# Altium PCB Kasli-DIOT.PCBDOC (part 6 of 21) (continued)
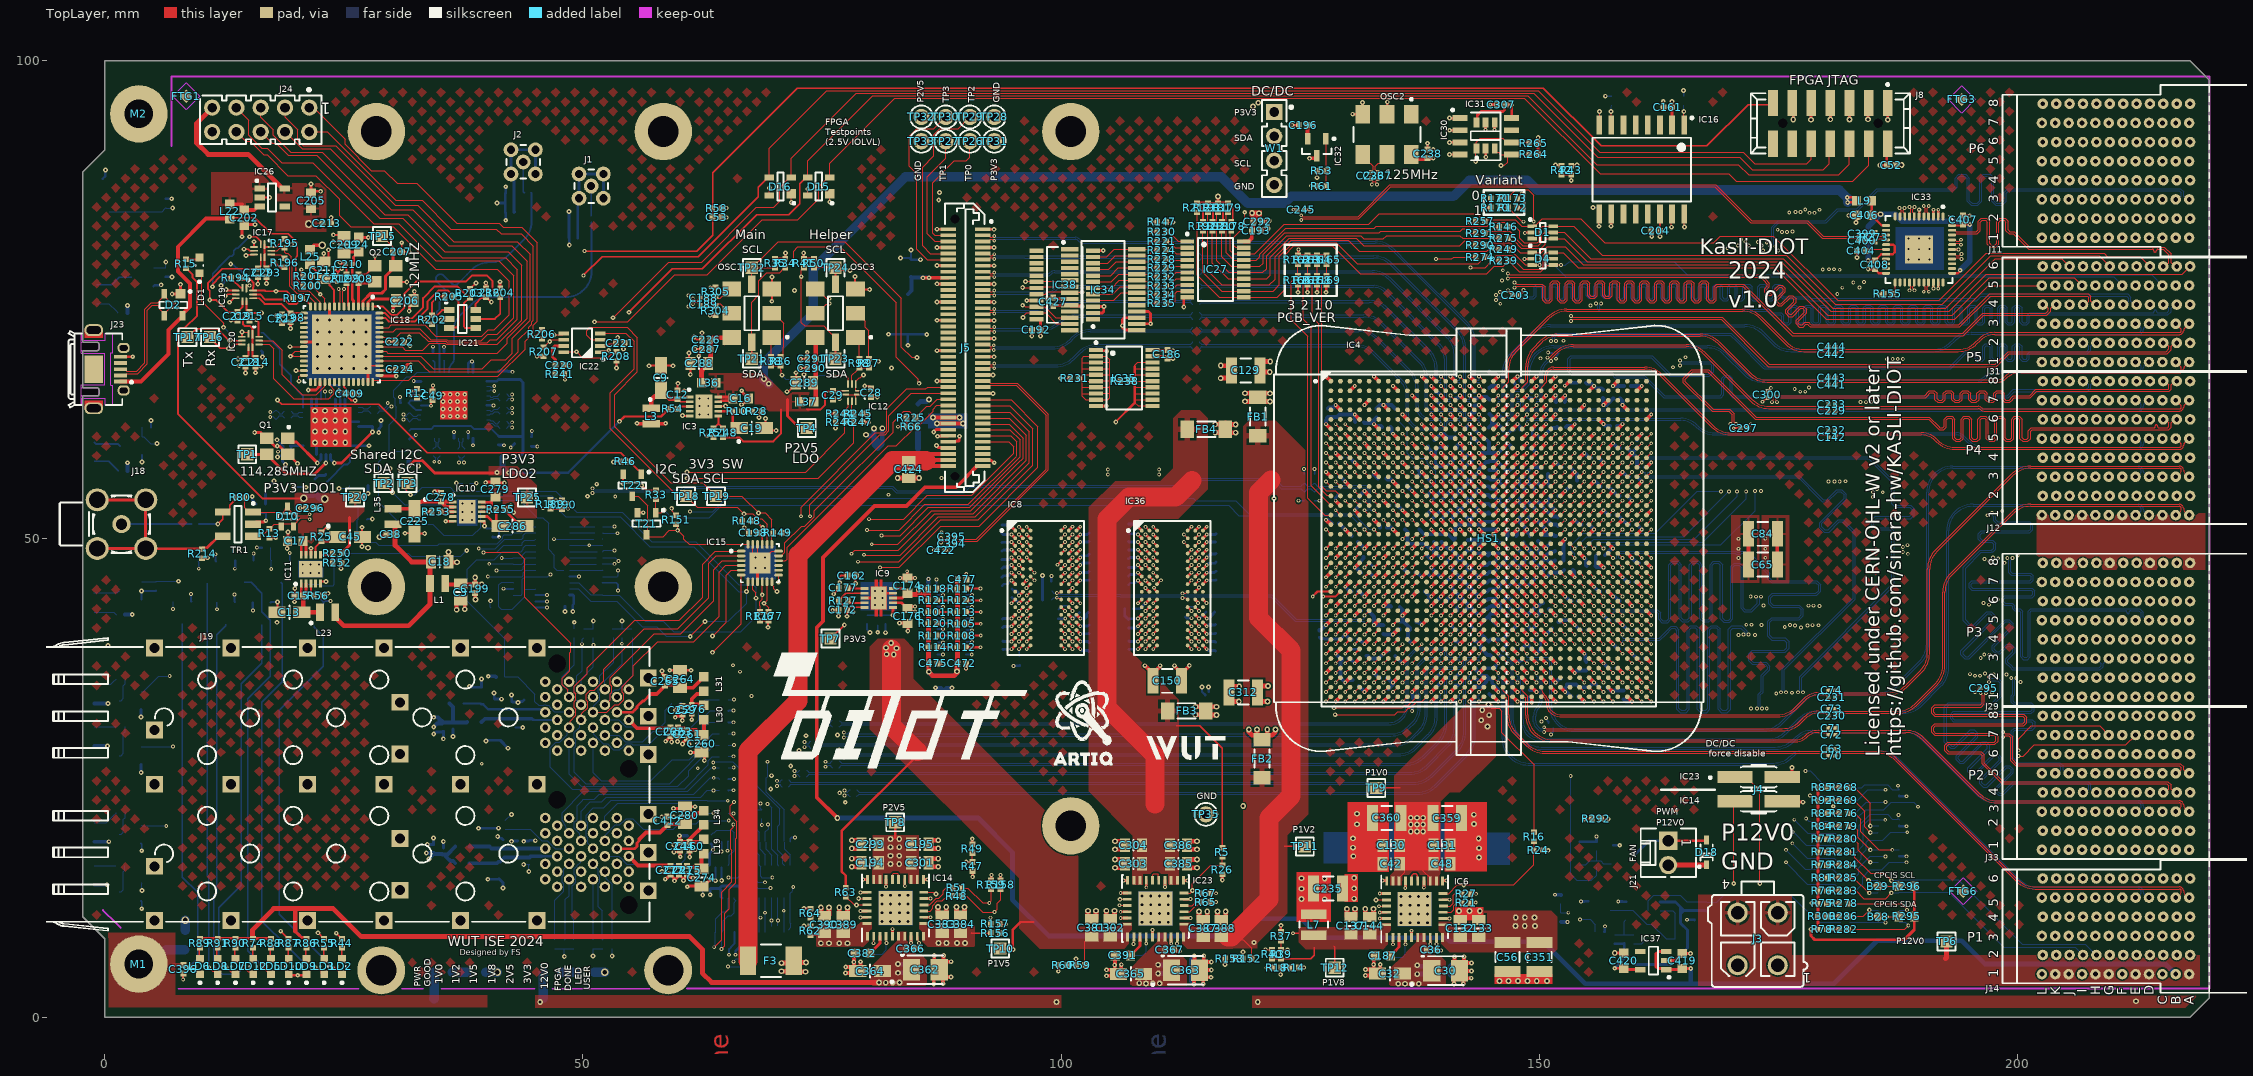
[diagram p0: TopLayer view]
## Nets (pads, with @x,y where several pads share a name; then routed paths per layer and width w, separated by ;. In a path a pad name is that pad's centre, name@x,y a point inside that pad or via, vN(x,y) a via of type N, cw(c..) or ccw(c..) an arc to the next point about the centre after c; other vN are vias at no path point) (continued)
  TopLayer w0.22: IC8.F8@100.8,46.875 100.797,46.875 v1(101.197,47.275) ; v1(127.7,49) IC4.V1@128.2,49.5
  Layer 5 w0.16: v1(101.197,47.275) 101.218,47.296 101.218,47.556 101.361,47.7 110.225,47.7 110.305,47.7 110.439,47.834 110.439,48.069 110.572,48.203 110.973,48.203 111.107,48.069 111.107,47.488 111.24,47.354 111.641,47.354 111.775,47.488 111.775,48.069 111.908,48.203 112.309,48.203 112.443,48.069 112.443,47.488 112.576,47.354 112.977,47.354 113.111,47.488 113.111,47.566 113.244,47.7 113.55,47.7 116.133,47.7 116.213,47.7 116.346,47.834 116.346,48.578 116.48,48.712 116.881,48.712 117.014,48.578 117.014,47.468 117.148,47.334 117.549,47.334 117.682,47.468 117.682,48.578 117.816,48.712 118.217,48.712 118.35,48.578 118.35,47.468 118.484,47.334 118.885,47.334 119.018,47.468 119.018,48.578 119.152,48.712 119.553,48.712 119.686,48.578 119.686,47.468 119.82,47.334 120.221,47.334 120.354,47.468 120.354,47.566 120.488,47.7 120.5,47.7 120.711,47.911 121.5,48.7 124.534,48.7 124.834,49 v1(127.7,49)
DDR_DQ20: IC4.Y5 IC8.H3 | length 39.2
  TopLayer w0.22: v1(96.362,44.858) 96.372,44.858 96.789,45.275 IC8.H3@96.8,45.275 ; v1(131.7,47) IC4.Y5@132.2,47.5
  Layer 5 w0.16: v1(96.362,44.858) 97.13,44.089 97.819,43.4 100.2,43.4 100.4,43.2 100.703,42.897 109.797,42.897 110.1,43.2 110.2,43.3 113,43.3 113.4,43.7 124.934,43.7 126.634,45.4 130.1,45.4 v1(131.7,47)
DDR_DQ21: IC4.W1 IC8.H8 | length 38.5
  TopLayer w0.22: IC8.H8@100.8,45.275 100.797,45.275 v1(101.197,45.675) ; v1(127.7,48) IC4.W1@128.2,48.5
  Layer 5 w0.16: v1(101.197,45.675) 101.592,46.069 102.394,46.069 102.425,46.038 102.505,46.038 102.639,46.172 102.639,46.25 102.772,46.384 103.173,46.384 103.307,46.25 103.307,45.826 103.44,45.692 103.841,45.692 103.975,45.826 103.975,46.176 104.108,46.309 104.509,46.309 104.643,46.176 104.643,45.826 104.776,45.692 105.177,45.692 105.311,45.826 105.311,46.176 105.444,46.309 105.845,46.309 105.979,46.176 105.979,46.172 106.112,46.038 106.325,46.038 108.28,46.038 108.36,46.038 108.494,46.172 108.494,46.505 108.627,46.639 109.028,46.639 109.162,46.505 109.162,46.172 109.295,46.038 109.45,46.038 109.491,46.079 110.859,46.079 110.9,46.038 110.98,46.038 111.114,46.172 111.114,46.185 111.247,46.318 111.648,46.318 111.782,46.185 111.782,45.826 111.915,45.692 112.316,45.692 112.45,45.826 112.45,45.904 112.583,46.038 113.25,46.038 113.282,46.07 115.718,46.07 115.75,46.038 115.83,46.038 115.964,46.172 115.964,46.453 116.097,46.587 116.498,46.587 116.632,46.453 116.632,45.826 116.765,45.692 117.166,45.692 117.3,45.826 117.3,46.453 117.433,46.587 117.834,46.587 117.968,46.453 117.968,45.826 118.101,45.692 118.502,45.692 118.636,45.826 118.636,46.453 118.769,46.587 119.17,46.587 119.304,46.453 119.304,45.826 119.437,45.692 119.838,45.692 119.972,45.826 119.972,45.904 120.105,46.038 120.322,46.038 120.538,46.038 121.865,47.365 128.256,47.365 128.35,47.459 128.35,47.845 128.241,47.954 127.746,47.954 v1(127.7,48)
DDR_DQ22: IC4.V3 IC8.G2 | length 39.5
  TopLayer w0.22: v1(95.6,46.472) 96,46.072 IC8.G2@96,46.075 ; v1(129.7,49) IC4.V3@130.2,49.5
  Layer 5 w0.16: v1(95.6,46.472) 96.472,46.472 99.4,49.4 100.156,49.4 100.249,49.307 116.007,49.307 116.7,50 117.448,50 117.582,49.866 117.582,49.788 117.715,49.654 118.116,49.654 118.25,49.788 118.25,49.945 118.383,50.079 118.784,50.079 118.918,49.945 118.918,49.788 119.051,49.654 119.452,49.654 119.586,49.788 119.586,49.945 119.719,50.079 120.12,50.079 120.254,49.945 120.254,49.788 120.387,49.654 120.788,49.654 120.922,49.788 120.922,49.945 121.055,50.079 121.456,50.079 121.59,49.945 121.59,49.788 121.723,49.655 122.124,49.655 122.258,49.788 122.258,49.866 122.391,50 123.175,50 123.375,50.2 124.5,50.2 124.9,49.8 128.9,49.8 v1(129.7,49)
DDR_DQ23: IC4.W3 IC8.H7 | length 38.5
  TopLayer w0.22: IC8.H7@100,45.275 99.997,45.275 v1(100.397,45.675) ; v1(129.7,48) IC4.W3@130.2,48.5
  Layer 5 w0.16: v1(100.397,45.675) 99.75,45.675 99.675,45.75 99.375,46.05 99.375,46.625 99.65,46.9 102.55,46.9 102.63,46.9 102.764,47.034 102.764,47.141 102.897,47.274 103.298,47.274 103.432,47.141 103.432,46.688 103.565,46.554 103.966,46.554 104.1,46.688 104.1,47.141 104.233,47.274 104.634,47.274 104.768,47.141 104.768,46.688 104.901,46.554 105.302,46.554 105.436,46.688 105.436,47.141 105.569,47.274 105.97,47.274 106.104,47.141 106.104,46.688 106.237,46.554 106.638,46.554 106.772,46.688 106.772,46.766 106.905,46.9 107.55,46.9 109.631,46.9 110.379,46.9 110.513,46.766 110.513,46.688 110.646,46.554 111.047,46.554 111.181,46.688 111.181,46.892 111.314,47.026 111.715,47.026 111.849,46.892 111.849,46.688 111.982,46.554 112.383,46.554 112.517,46.688 112.517,46.766 112.65,46.9 113.225,46.9 120.6,46.9 121.8,48.1 126.372,48.1 126.672,48.4 129,48.4 129.399,48.001 v1(129.7,48) v1(129.7,48)
DDR_DQ24: IC4.Y7 IC8.D7 | length 48.3
  TopLayer w0.22: IC8.D7@100,48.475 99.997,48.475 v1(100.397,48.875) ; v1(133.7,47) IC4.Y7@134.2,47.5
  Layer 3 w0.15: v1(100.397,48.875) 100.397,48.103 100.767,47.733 100.767,47.083 100.95,46.9 102.2,46.9 102.356,46.9 102.487,46.768 102.487,46.563 102.619,46.432 103.014,46.432 103.145,46.563 103.145,47.698 103.277,47.83 103.672,47.83 103.803,47.698 103.803,46.563 103.935,46.432 104.33,46.432 104.461,46.563 104.461,47.698 104.593,47.83 104.988,47.83 105.119,47.698 105.119,46.563 105.251,46.432 105.646,46.432 105.777,46.563 105.777,47.698 105.909,47.83 106.304,47.83 106.435,47.698 106.435,46.563 106.567,46.432 106.962,46.432 107.093,46.563 107.093,46.768 107.225,46.9 107.3,46.9 110.325,46.9 110.4,46.9 110.532,47.032 110.532,47.089 110.663,47.221 111.058,47.221 111.19,47.089 111.19,46.72 111.321,46.588 111.716,46.588 111.848,46.72 111.848,47.071 111.979,47.203 112.374,47.203 112.506,47.071 112.506,46.768 112.637,46.637 113.032,46.637 113.164,46.768 ; 113.164,46.768 113.295,46.9 113.433,46.9 117.7,46.9 118.4,46.2 126.6,46.2 127.16,45.64 128.849,45.64 129.202,45.993 129.202,46.012 129.556,46.365 132.04,46.365 132.225,46.55 132.225,47.415 132.41,47.6 133.525,47.6 133.7,47.425 v1(133.7,47)
DDR_DQ25: IC4.W6 IC8.C3 | length 47.7
  TopLayer w0.22: v1(96.4,49.672) 96.8,49.272 IC8.C3@96.8,49.275 ; v1(132.7,48) IC4.W6@133.2,48.5
  Layer 3 w0.15: v1(96.4,49.672) 96.772,49.3 97.1,49.3 97.175,49.3 97.307,49.432 97.307,50.318 97.438,50.45 97.833,50.45 97.965,50.318 97.965,48.023 98.096,47.892 98.491,47.892 98.623,48.023 98.623,49.623 98.754,49.755 99.149,49.755 99.281,49.623 99.281,48.023 99.412,47.892 99.807,47.892 99.939,48.023 99.939,49.168 100.07,49.3 100.334,49.3 101.35,49.3 101.6,49.05 101.6,48.75 101.85,48.5 103.725,48.5 104,48.225 107.187,48.225 107.78,47.632 111.574,47.632 111.577,47.635 115.371,47.635 115.381,47.625 117.975,47.625 118.7,46.9 126.8,46.9 127.1,46.6 130.809,46.6 131.06,46.851 131.06,46.869 131.769,47.578 131.787,47.578 132.209,48 v1(132.7,48)
DDR_DQ26: IC4.V6 IC8.C8 | length 47.4
  TopLayer w0.22: IC8.C8@100.8,49.275 100.797,49.275 v1(101.197,49.675) ; v1(132.7,49) IC4.V6@133.2,49.5
  Layer 3 w0.15: v1(101.197,49.675) 101.622,50.1 102.145,50.1 102.995,49.25 103.25,49.25 103.325,49.25 103.457,49.382 103.457,49.718 103.588,49.85 103.983,49.85 104.115,49.718 104.115,48.782 104.246,48.65 104.641,48.65 104.773,48.782 104.773,49.718 104.904,49.85 105.299,49.85 105.431,49.718 105.431,48.782 105.562,48.65 105.957,48.65 106.089,48.782 106.089,49.718 106.22,49.85 106.615,49.85 106.747,49.718 106.747,48.782 106.878,48.65 107.273,48.65 107.448,48.475 110.1,48.475 110.175,48.475 110.307,48.607 110.307,49.515 110.438,49.647 110.833,49.647 110.965,49.515 110.965,48.125 111.096,47.993 111.491,47.993 111.623,48.125 111.623,49.515 111.754,49.647 112.149,49.647 112.281,49.515 112.281,48.125 112.412,47.993 112.807,47.993 112.939,48.125 112.939,48.343 113.07,48.475 113.473,48.475 115.55,48.475 115.625,48.475 115.757,48.607 115.757,48.665 115.888,48.797 116.283,48.797 116.415,48.665 116.415,48.328 116.546,48.196 116.941,48.196 117.073,48.328 117.073,48.665 117.204,48.797 117.599,48.797 117.731,48.665 117.731,48.328 117.862,48.196 118.257,48.196 118.389,48.328 118.389,48.343 118.52,48.475 118.945,48.475 119.225,48.475 120.06,47.64 131.09,47.64 132.424,48.974 132.674,48.974 v1(132.7,49)
DDR_DQ27: IC4.V9 IC8.C2 | length 47.3
  TopLayer w0.22: v1(95.6,49.672) 96,49.272 IC8.C2@96,49.275 ; v1(135.7,49) IC4.V9@136.2,49.5
  Layer 3 w0.15: v1(95.6,49.672) 95.293,49.672 95.17,49.795 95.17,50.72 95.325,50.875 96.969,50.875 97.794,51.7 99.119,53.025 119.3,53.025 121.125,51.2 127.091,51.2 127.251,51.36 135.014,51.36 136.1,50.274 136.1,49.884 135.7,49.484 v1(135.7,49)
DDR_DQ28: IC4.V8 IC8.A7 | length 48.2
  TopLayer w0.22: IC8.A7@100,50.875 99.997,50.875 v1(100.397,51.275) ; v1(134.7,49) IC4.V8@135.2,49.5
  Layer 3 w0.15: v1(100.397,51.275) 100.822,51.7 101.064,51.942 109.533,51.942 109.775,51.7 110.025,51.45 110.025,50.625 110.175,50.475 110.575,50.475 110.75,50.65 110.75,51.525 110.981,51.756 111.269,51.756 111.475,51.55 111.475,50.525 111.6,50.4 112,50.4 112.1,50.5 112.1,51.668 112.188,51.756 112.944,51.756 113.1,51.6 113.1,50.875 113.225,50.75 113.921,50.75 114.062,50.892 114.062,51.655 114.163,51.756 114.619,51.756 114.8,51.575 114.8,50.925 114.89,50.835 115.56,50.835 115.675,50.95 115.675,51.631 115.8,51.756 116.262,51.756 116.35,51.668 116.35,50.85 116.45,50.75 117.05,50.75 117.15,50.85 117.15,51.656 117.25,51.756 117.919,51.756 120.875,48.8 121.075,48.8 121.15,48.8 121.282,48.932 121.282,49.268 121.413,49.4 121.808,49.4 121.94,49.268 121.94,48.932 122.071,48.8 122.625,48.8 125.5,48.8 126.4,49.7 134,49.7 v1(134.7,49)
DDR_DQ29: IC4.W10 IC8.A2 | length 48.3
  TopLayer w0.22: v1(95.6,51.272) 96,50.872 IC8.A2@96,50.875 ; v1(136.7,48) IC4.W10@137.2,48.5
  Layer 3 w0.15: v1(95.6,51.272) 98.228,53.9 121.725,53.9 122.725,52.9 122.998,52.9 123,52.902 124.398,52.902 124.8,52.5 135.769,52.5 136.298,51.971 136.298,51.833 136.3,51.831 136.3,51.7 137.06,50.94 137.06,48.36 v1(136.7,48)
DDR_DQ30: IC4.V7 IC8.B8 | length 47.3
  TopLayer w0.22: IC8.B8@100.803,50.075 IC8.B8@100.8,50.075 v1(101.2,50.475) ; v1(133.7,49) IC4.V7@134.2,49.5
  Layer 3 w0.15: v1(101.2,50.475) 101.625,50.9 102.25,50.9 102.325,50.9 102.457,51.032 102.457,51.368 102.588,51.5 102.983,51.5 103.115,51.368 103.115,50.432 103.246,50.3 103.641,50.3 103.773,50.432 103.773,51.368 103.904,51.5 104.299,51.5 104.431,51.368 104.431,50.432 104.562,50.3 104.957,50.3 105.089,50.432 105.089,51.368 105.22,51.5 105.615,51.5 105.747,51.368 105.747,50.432 105.878,50.3 106.273,50.3 106.405,50.432 106.405,51.368 106.536,51.5 106.931,51.5 107.063,51.368 107.063,50.787 107.25,50.6 107.811,50.039 115.475,50.039 115.55,50.039 115.682,50.171 115.682,50.252 115.813,50.383 116.208,50.383 116.34,50.252 116.34,49.214 116.471,49.082 116.866,49.082 116.998,49.214 116.998,50.252 117.129,50.383 117.524,50.383 117.656,50.252 117.656,49.214 117.787,49.082 118.182,49.082 118.314,49.214 118.314,49.787 118.445,49.919 118.631,49.919 118.883,49.667 120.35,48.2 126.5,48.2 126.9,48.6 130.809,48.6 131.155,48.945 131.155,49.055 131.46,49.36 132.849,49.36 133.209,49 v1(133.7,49)
DDR_DQ31: IC4.Y8 IC8.A3 | length 48.2
  TopLayer w0.22: v1(96.4,51.272) 96.8,50.872 IC8.A3@96.8,50.875 ; v1(134.7,47) IC4.Y8@135.2,47.5
  Layer 3 w0.15: v1(96.4,51.272) 96.828,51.7 98.628,53.5 120.2,53.5 121.602,52.098 126.302,52.098 126.802,51.598 129.998,51.598 130.1,51.7 132.3,51.7 132.402,51.598 134.867,51.598 134.869,51.6 135.6,51.6 136.34,50.86 136.34,49.1 136.1,48.86 136.1,47.891 135.849,47.64 135.724,47.64 135.125,47.041 134.741,47.041 v1(134.7,47)
DDR_DQS0_N: IC4.AB6 IC36.G3 | length 31
  TopLayer w0.12: v1(109.625,46.472) 109.626,46.472 110.024,46.075 IC36.G3@110.025,46.075 ; v1(132.7,45) IC4.AB6@133.2,45.5
  Layer 6 w0.12: v1(109.625,46.472) 109.667,46.515 109.667,46.705 109.738,46.775 110.305,46.775 110.77,47.24 110.77,48.159 111.361,48.75 112.175,48.75 112.65,48.275 112.65,45.739 114.014,44.375 116.175,44.375 116.38,44.58 124.241,44.58 125.041,45.38 125.95,45.38 126.384,45.38 126.459,45.305 126.459,45.208 126.534,45.133 126.758,45.133 126.833,45.208 126.833,45.305 126.908,45.38 127.2,45.38 132.88,45.38 133.09,45.17 133.09,45.07 133.02,45 v1(132.7,45)
DDR_DQS0_P: IC4.AB7 IC36.F3 | length 31
  TopLayer w0.12: v1(109.625,47.272) 109.626,47.272 110.024,46.875 IC36.F3@110.025,46.875 ; v1(133.7,45) IC4.AB7@134.2,45.5
  Layer 6 w0.12: v1(109.625,47.272) 109.669,47.228 109.669,47.076 109.75,46.995 110.214,46.995 110.55,47.331 110.55,48.25 111.27,48.97 112.266,48.97 112.87,48.366 112.87,45.83 114.105,44.595 116.083,44.595 116.289,44.8 124.15,44.8 124.95,45.6 125.95,45.6 132.971,45.6 133.31,45.261 133.31,45.07 133.38,45 v1(133.7,45)
DDR_DQS1_N: IC4.AB1 IC36.B7 | length 29.1
  TopLayer w0.12: v1(112.825,50.472) 112.826,50.472 113.224,50.075 IC36.B7@113.225,50.075 ; v1(127.7,45) IC4.AB1@128.2,45.5
  layer 8 w0.11: v1(112.825,50.472) 112.53,50.177 112.111,50.177 112.038,50.25 112.038,50.45 111.965,50.523 111.747,50.523 111.674,50.45 111.674,50.25 111.601,50.177 111.525,50.177 111.323,50.177 111.1,50.4 111.1,50.819 111.173,50.892 111.373,50.892 111.446,50.965 111.446,51.183 111.373,51.256 111.173,51.256 111.1,51.329 111.1,51.4 112.038,52.338 115.85,52.338 116.054,52.338 116.3,52.584 116.3,52.814 116.424,52.938 116.795,52.938 116.918,52.814 116.918,51.842 117.165,51.595 117.709,51.595 117.956,51.842 117.956,52.814 118.08,52.938 118.451,52.938 118.574,52.814 118.574,52.584 118.821,52.338 119.2,52.338 119.376,52.338 126.314,45.4 127.851,45.4 128.095,45.156 128.095,45.064 128.031,45 v1(127.7,45)
DDR_DQS1_P: IC4.AB2 IC36.C7 | length 29.1
  TopLayer w0.12: v1(112.825,49.672) 112.826,49.672 113.224,49.275 IC36.C7@113.225,49.275 ; v1(128.7,45) IC4.AB2@129.2,45.5
  layer 8 w0.11: v1(112.825,49.672) 112.53,49.967 111.236,49.967 110.89,50.313 110.89,51.487 111.951,52.548 115.85,52.548 115.967,52.548 116.09,52.671 116.09,52.901 116.337,53.148 116.881,53.148 117.128,52.901 117.128,51.929 117.252,51.805 117.623,51.805 117.746,51.929 117.746,52.901 117.993,53.148 118.537,53.148 118.784,52.901 118.784,52.671 118.908,52.548 119.2,52.548 119.463,52.548 126.401,45.61 127.938,45.61 128.305,45.243 128.305,45.064 128.369,45 v1(128.7,45)
DDR_DQS2_N: IC4.Y2 IC8.G3 | length 39.2
  TopLayer w0.12: IC8.G3@96.8,46.075 v1(97.2,45.675) ; v1(128.7,47) IC4.Y2@129.2,47.5
  Layer 5 w0.12: v1(97.2,45.675) 97.144,45.675 96.971,45.501 96.971,45.165 97.213,44.924 97.5,44.924 97.666,44.924 97.741,44.998 97.741,45.195 97.815,45.27 98.04,45.27 98.115,45.195 98.115,44.998 98.189,44.924 98.623,44.924 100.019,44.924 100.637,44.306 102.85,44.306 102.974,44.306 103.1,44.431 103.1,44.606 103.355,44.86 103.914,44.86 104.168,44.606 104.168,44.051 104.294,43.925 104.67,43.925 104.796,44.051 105.051,44.306 105.675,44.306 110.706,44.306 111.304,44.904 113.316,44.904 113.8,44.42 120.62,44.42 122.225,46.025 124.586,46.025 124.646,46.025 124.72,46.1 124.72,46.296 124.795,46.371 125.02,46.371 125.094,46.296 125.094,46.1 125.169,46.025 125.394,46.025 125.468,46.1 125.468,46.296 125.543,46.371 125.768,46.371 125.842,46.296 125.842,46.1 125.917,46.025 126.3,46.025 126.639,46.025 127.214,46.6 129.02,46.6 129.09,46.67 129.09,46.93 129.02,47 v1(128.7,47)
DDR_DQS2_P: IC4.Y3 IC8.F3 | length 39.2
  TopLayer w0.12: IC8.F3@96.8,46.875 v1(97.2,46.475) ; v1(129.7,47) IC4.Y3@130.2,47.5
  Layer 5 w0.12: v1(97.2,46.475) 97.158,46.433 97.158,46.129 96.751,45.722 96.751,45.074 97.122,44.704 99.928,44.704 100.546,44.086 102.85,44.086 103.066,44.086 103.32,44.34 103.32,44.515 103.446,44.64 103.822,44.64 103.948,44.515 103.948,43.96 104.203,43.705 104.762,43.705 105.016,43.96 105.142,44.086 105.675,44.086 110.797,44.086 111.395,44.684 113.225,44.684 113.709,44.2 120.711,44.2 122.316,45.805 126.73,45.805 127.305,46.38 129.111,46.38 129.31,46.579 129.31,46.93 129.38,47 v1(129.7,47)
DDR_DQS3_N: IC4.W8 IC8.B7 | length 48.1
  TopLayer w0.12: IC8.B7@100,50.075 IC8.B7@100,50.075 100.397,50.474 v1(100.397,50.475) ; v1(134.7,48) IC4.W8@135.2,48.5
  Layer 3 w0.11: v1(100.397,50.475) 100.102,50.18 99.42,50.18 99.1,50.5 99.1,50.556 99.1,50.975 99.173,51.047 99.414,51.047 99.486,51.12 99.486,51.339 99.414,51.411 99.173,51.411 99.1,51.484 99.1,51.7 99.1,51.975 99.425,52.3 118.3,52.3 120.376,50.224 120.989,50.224 121.851,50.224 122.098,50.47 122.098,50.564 122.221,50.688 122.592,50.688 122.716,50.564 122.716,49.616 122.963,49.37 123.507,49.37 123.754,49.616 123.754,50.564 123.877,50.688 124.248,50.688 124.372,50.564 124.372,49.894 124.619,49.647 125.163,49.647 125.41,49.894 125.41,50.1 125.533,50.224 125.65,50.224 125.737,50.224 125.884,50.37 132.7,50.37 133.119,50.37 133.192,50.298 133.192,50.137 133.265,50.064 133.483,50.064 133.556,50.137 133.556,50.298 133.629,50.37 133.725,50.37 134.061,50.37 135.095,49.337 135.095,48.395 135.095,48.064 135.031,48 v1(134.7,48)
DDR_DQS3_P: IC4.W9 IC8.C7 | length 48.1
  TopLayer w0.12: IC8.C7@100,49.275 IC8.C7@100,49.275 v1(100.397,49.675) v1(100.397,49.675) ; v1(135.7,48) IC4.W9@136.2,48.5
  Layer 3 w0.11: v1(100.397,49.675) 100.102,49.97 99.333,49.97 98.89,50.413 98.89,52.062 99.338,52.51 118.387,52.51 120.463,50.434 120.989,50.434 121.764,50.434 121.888,50.557 121.888,50.651 122.135,50.898 122.679,50.898 122.926,50.651 122.926,49.703 123.049,49.579 123.42,49.579 123.544,49.703 123.544,50.651 123.791,50.898 124.335,50.898 124.582,50.651 124.582,49.981 124.705,49.857 125.076,49.857 125.2,49.981 125.2,50.187 125.446,50.434 125.65,50.434 125.797,50.58 134.148,50.58 135.305,49.424 135.305,48.482 135.305,48.064 135.369,48 v1(135.7,48)
DDR_ODT: IC4.AD1 IC8.K1 IC36.K1 R123.1 | length 42.7
  TopLayer w0.22: R123.1@90.09,43.583 v1(91.59,43.583) ; v1(94.803,43.275) 95.203,43.675 IC8.K1@95.2,43.675 ; v1(108.028,43.275) 108.428,43.675 IC36.K1@108.425,43.675 ; v1(127.7,43) IC4.AD1@128.2,43.5
  Layer 3 w0.15: v1(91.59,43.583) 91.898,43.275 v1(94.803,43.275) 95.183,43.655 97.345,43.655 97.7,43.3 100.445,43.3 100.8,43.655 107.648,43.655 v1(108.028,43.275) 108.408,43.655 109.5,43.655 109.575,43.655 109.674,43.753 109.674,43.929 109.772,44.028 110.233,44.028 110.332,43.929 110.332,43.38 110.43,43.281 110.891,43.281 110.99,43.38 110.99,43.929 111.088,44.028 111.549,44.028 111.648,43.929 111.648,43.753 111.746,43.655 112.083,43.655 112.195,43.655 112.55,43.3 113.6,43.3 114,43.7 125.4,43.7 126.075,43.025 127.675,43.025 v1(127.7,43)
DDR_RAS_N: IC4.AD3 IC8.J3 IC36.J3 R117.1 | length 44.2
  TopLayer w0.22: R117.1@90.07,44.81 v1(91.57,44.81) ; v1(96.403,44.075) 96.803,44.475 IC8.J3@96.8,44.475 ; v1(109.7,44.9) 109.738,44.862 109.738,44.762 IC36.J3@110.025,44.475 ; v1(129.7,43) IC4.AD3@130.2,43.5
  Layer 3 w0.15: v1(91.57,44.81) 95.668,44.81 v1(96.403,44.075) 97.128,44.8 99.75,44.8 100.15,44.4 109.2,44.4 v1(109.7,44.9) 110.45,44.9 110.525,44.9 110.657,45.032 110.657,45.114 110.788,45.246 111.183,45.246 111.315,45.114 111.315,44.686 111.446,44.554 111.841,44.554 111.973,44.686 111.973,44.768 112.104,44.9 112.4,44.9 113.1,44.9 113.425,44.575 126.282,44.575 127.357,43.5 128.769,43.5 129.269,43 v1(129.7,43)
DDR_RST_N: IC4.AH7 IC8.T2 IC36.T2 R125.1 | length 41.6
  TopLayer w0.15: v1(133.7,39) IC4.AH7@134.2,39.5
  TopLayer w0.22: v1(95.603,38.475) 96.003,38.875 IC8.T2@96,38.875 ; v1(108.828,38.475) 109.228,38.875 IC36.T2@109.225,38.875
  Layer 5 w0.15: v1(95.603,38.475) 95.98,38.098 108.451,38.098 v1(108.828,38.475) 109.205,38.098 115.498,38.098 115.802,38.402 133.102,38.402 v1(133.7,39)
  BottomLayer w0.15: v1(95.603,38.475) 95.603,37.792 R125.1@95.675,37.72
DDR_WE_N: IC4.AF2 IC8.L3 IC36.L3 R119.1 | length 45.3
  TopLayer w0.22: v1(96.403,42.475) 96.803,42.875 IC8.L3@96.8,42.875 ; v1(109.628,42.475) 110.028,42.875 IC36.L3@110.025,42.875 ; v1(128.7,41) IC4.AF2@129.2,41.5
  layer 8 w0.15: v1(87.628,42.91) 90.015,42.91 90.412,43.307 91.066,43.307 91.237,43.136 92.164,43.136 92.448,42.852 96.026,42.852 v1(96.403,42.475) 96.78,42.098 109.251,42.098 v1(109.628,42.475) 110.003,42.1 118.7,42.1 119.7,41.1 126.6,41.1 127.102,40.598 127.882,40.598 128.275,40.991 128.691,40.991 v1(128.7,41)
  BottomLayer w0.22: R119.1@87.05,42.91 v1(87.628,42.91)
Default_flash: IC4.M1 R289.1 SW1.1 | length 145.6
  TopLayer w0.095: v1(127.7,56) IC4.M1@128.2,55.5
  Layer 6 w0.127: v5(7.1,84.6) 35.075,84.6 38.015,81.66 78.44,81.66 81.204,84.425 92.875,84.425 110.164,67.136 110.164,62.911 113.458,59.617 125.051,59.617 125.663,59.005 125.663,57.612 127.275,56 v1(127.7,56)
  BottomLayer w0.127: SW1.1@0.453,84.218 5.988,84.218 6.153,84.384 6.153,84.404 6.38,84.63 R289.1@6.4,84.63 6.43,84.6 v5(7.1,84.6)
DI: IC18.55 IC21.3 R205.2 | length 14.3
  TopLayer w0.2: IC18.55@28.715,73.108 29.325,73.108 29.683,72.75 32.45,72.75 33.731,74.031 33.731,74.781 34.93,75.98 35.857,75.98 36.47,75.367 R205.2@36.47,75.347 36.47,75.327 36.978,74.819 36.978,72.338 36.733,72.093 36.043,72.093 IC21.3@36,72.05
DIOT_BUS_CTRL.PRST_N: IC4.AP6 R73.1 R281.1 | length 58.9
  TopLayer w0.127: v1(132.7,33) IC4.AP6@133.2,33.5 ; R73.1@180.065,17.281 v2(180.72,17.281) R281.1@181.375,17.281
  Layer 5 w0.127: v1(132.7,33) 132.7,29.031 135.844,25.887 143.719,25.887 147.166,22.44 175.561,22.44 v2(180.72,17.281)
DIOT_BUS_CTRL.PS_ON_N: R258.1 R277.1 T23.1 T24.3 | length 23.3
  BottomLayer w0.127: T24.3@161.358,11.125 161.358,12.147 161.935,12.725 164.75,12.725 165.4,12.075 T23.1@166.2,12.075 167.433,12.075 R258.1@167.48,12.028 168.528,12.028 169.374,12.874 176.199,12.874 179.174,9.9 R277.1@181.53,9.9
DIOT_BUS_CTRL.PWR_FAIL_N: IC4.AN8 R84.1 R279.1 | length 57.7
  TopLayer w0.127: v1(134.7,34) IC4.AN8@135.2,34.5 ; R84.1@180.065,19.978 v2(180.72,19.978) R279.1@181.375,19.978
  Layer 5 w0.127: v1(134.7,34) 134.125,33.425 134.125,30.5 134.125,28.813 136.197,26.741 144.072,26.741 147.519,23.294 177.404,23.294 v2(180.72,19.978)
DIOT_BUS_CTRL.PWRBTN_N: IC4.AP8 R83.1 R276.1 | length 55.3
  TopLayer w0.127: v1(134.7,33) IC4.AP8@135.2,33.5 ; R83.1@180.065,21.326 v2(180.72,21.326) R276.1@181.375,21.326
  Layer 5 w0.127: v1(134.7,33) 134.7,28.842 136.374,27.168 144.249,27.168 147.696,23.721 178.325,23.721 v2(180.72,21.326)
DIOT_BUS_CTRL.RST_N: IC35.11 IC35.12 IC35.13 IC35.14 IC35.15 IC35.16 IC35.17 IC35.18 R75.1 R238.2 R278.1 R292.2 | length 209.2
  TopLayer w0.127: 107.712,64.263 108.071,63.904 IC35.11@109.55,63.904 ; 107.712,64.488 107.779,64.554 IC35.12@109.55,64.554 ; 107.712,65.227 107.736,65.204 IC35.13@109.55,65.204 ; 107.712,65.854 IC35.14@109.55,65.854 ; 107.712,66.515 107.724,66.504 IC35.15@109.55,66.504 ; 107.712,67.233 107.792,67.154 IC35.16@109.55,67.154 ; 107.712,67.804 IC35.17@109.55,67.804 ; 107.712,67.995 107.712,68.172 107.994,68.454 IC35.18@109.55,68.454 ; R292.2@156.441,20.756 156.464,20.732 v2(157.2,20.732) ; R75.1@180.065,11.888 v2(180.72,11.888) R278.1@181.375,11.888
  TopLayer w0.254: v2(105.712,62.241) 105.712,62.262 107.712,64.263 107.712,64.488 107.712,65.227 107.712,65.854 107.712,66.515 ; R238.2@107.117,66.515 107.712,66.515 ; 107.712,67.995 107.712,67.804 107.712,67.233 107.712,66.515
  Layer 5 w0.127: v2@157.204,20.736 171.872,20.736 v2(180.72,11.888)
  Layer 5 w0.254: v2(105.712,62.241) 105.712,62.174 105.306,61.768 105.306,61.762 105.093,61.55 101.15,61.55 89.994,50.394 89.994,49.019 87.409,46.434 86.064,46.434 84.273,44.643 84.273,41.827 85.1,41 85.1,32 92.4,24.7 128.95,24.7 138.65,15 160.441,15 161.721,13.72 168.62,13.72 169.755,14.855 173.445,14.855 177.048,11.252 177.048,8.772 177.825,7.994 181.994,7.994 182.8,8.8 182.8,10.9 181.812,11.888 v2(180.72,11.888)
DIOT_CLK_IN_0.CLK_N: C400.1 IC1.35 | length 160.8
  TopLayer w0.095: v6(125.1,83.339) 125.239,83.478 131.128,83.478 134.454,86.804 168.334,86.804 172.089,83.05 177.964,83.05 179.574,81.44 182.827,81.44 182.828,81.439 183.192,81.439 183.248,81.383 183.248,81.353 183.4,81.2 C400.1@183.425,81.2
  Layer 3 w0.075: v1(40.725,65.991) 40.681,65.991 40.519,65.829 40.1,65.829 39.888,66.041 39.888,66.413 40.075,66.6 47.189,66.6 48.423,65.366 50.666,63.123 58.616,63.123 59.83,61.909 59.889,61.85 66.2,61.85 67.862,63.512 80.011,63.512 80.15,63.373 87.984,63.373 90.501,65.89 105.965,65.89 123.563,83.488 124.894,83.488 125.043,83.339 v6(125.1,83.339)
  BottomLayer w0.095: IC1.35@39.95,65.978 40.244,65.978 40.383,65.839 40.517,65.839 40.669,65.991 v1(40.725,65.991)
DIOT_CLK_IN_0.CLK_P: C399.1 IC1.36 | length 161.4
  TopLayer w0.095: v6(125.1,83.839) 125.239,83.7 131.036,83.7 134.362,87.026 168.426,87.026 172.181,83.272 178.056,83.272 179.666,81.662 182.919,81.662 182.92,81.661 183.192,81.661 183.248,81.717 183.248,81.748 183.4,81.9 C399.1@183.425,81.9
  Layer 3 w0.075: v1(40.725,65.464) 40.681,65.464 40.519,65.627 40.016,65.627 39.686,65.957 39.686,66.497 39.991,66.802 47.273,66.802 48.625,65.45 50.75,63.325 58.7,63.325 59.332,62.693 59.973,62.052 66.116,62.052 67.779,63.715 80.094,63.715 80.234,63.575 87.9,63.575 90.417,66.092 105.881,66.092 123.479,83.69 124.894,83.69 125.043,83.839 v6(125.1,83.839)
  BottomLayer w0.095: IC1.36@39.95,65.478 40.244,65.478 40.383,65.617 40.517,65.617 40.669,65.464 v1(40.725,65.464)
DIOT_I2C.SCL: B29.1 D5.5 IC4.AL5 J14.B2 R296.1 | length 113
  TopLayer w0.1: B29.1@185.4,13.7 v2(186.2,13.7) 187.564,13.7 R296.1@187.592,13.672
  TopLayer w0.127: v1(131.7,36) IC4.AL5@132.2,36.5
  Layer 3 w0.1: v1(131.7,36) 130.323,34.623 130.323,28.25 135.498,23.075 165.1,23.075 174.08,14.095 182.195,14.095 182.879,14.779 185.121,14.779 v2(186.2,13.7) 185.6,13.1 185.6,8.9 189.196,5.304 216.25,5.304 216.639,5.693 J14.B2@216.639,6.5
  BottomLayer w0.127: D5.5@185.425,13.695 185.43,13.7 v2(186.2,13.7)
DIOT_I2C.SDA: B28.1 D3.5 IC4.AM5 J14.C2 R295.1 | length 108.7
  TopLayer w0.1: B28.1@185.425,10.525 185.438,10.513 186.287,10.513 v2(186.3,10.5) 187.566,10.5 R295.1@187.592,10.526
  TopLayer w0.127: v1(131.7,35) IC4.AM5@132.2,35.5
  Layer 3 w0.1: v1(131.7,35) 131.259,34.559 131.259,30.5 131.259,28.366 136.075,23.55 166.125,23.55 174.325,15.35 186.8,15.35 187.425,14.725 187.425,11.625 v2(186.3,10.5) 191.1,5.7 215.007,5.7 215.165,5.859 215.165,6.427 J14.C2@215.239,6.5
  BottomLayer w0.127: D3.5@185.425,10.55 185.475,10.5 v2(186.3,10.5)
DIR: IC27.1 R230.2 | length 2.6
  TopLayer w0.127: R230.2@110.992,82.12 111.134,81.979 111.398,81.979 112.267,81.111 IC27.1@113.186,81.111
DIRb: IC34.7 IC38.19 R230.1 | length 22.4
  TopLayer w0.127: v2(95.973,76.284) 95.995,76.263 97.409,76.263 IC38.19@97.436,76.236 97.549,76.348 100.849,76.348 IC34.7@100.886,76.386 ; v2(109.355,82.12) R230.1@110.052,82.12
  Layer 3 w0.127: v2(95.973,76.284) 98.52,76.284 99.651,75.152 102.387,75.152 v2(109.355,82.12)
DO: IC21.1 R202.1 R205.1 | length 4.9
  TopLayer w0.2: R205.1@35.53,75.347 34.834,75.347 34.225,74.738 R202.1@34.225,73.395 34.741,73.395 35.267,73.921 35.971,73.921 IC21.1@36,73.95
EEM_CLK_OUT0: C20.1 IC1.27 | length 27.4
  BottomLayer w0.19: IC1.27@36,67.428 36,67.555 cw(c37.195,67.555) 36.35,68.4 ccw(c35.928,68.822) 36.525,68.822 36.525,72.018 cw(c38.232,72.018) 37.024,73.224 ; 37.025,73.225 38.356,74.556 cw(c40.152,72.76) 40.152,75.3 48.273,75.3 ccw(c48.273,77.84) 50.069,76.044 50.156,76.131 ccw(c48.36,77.927) 50.9,77.927 50.9,83.075 C20.1@50.875,83.1
EEM_CLK_OUT1: C21.1 IC1.25 | length 27.5
  BottomLayer w0.19: IC1.25@35,67.428 35,70.271 34.705,70.566 34.705,73.738 35,74.033 35,74.775 35.525,75.3 35.592,75.367 ccw(c35.256,75.704) 35.592,76.04 34.763,76.869 cw(c35.1,77.206) 34.763,77.542 cw(c35.1,77.206) 35.437,77.542 36.265,76.714 ccw(c36.602,77.05) 36.939,76.714 37.875,77.65 38.406,78.181 cw(c40.202,76.385) 40.202,78.925 40.398,78.925 ccw(c40.398,81.465) 42.194,79.669 43.881,81.356 ccw(c42.085,83.152) 44.625,83.152 44.625,86.15 C21.1@44.575,86.2